# Altium PCB PCB1.PcbDoc (part 3 of 5) (continued)
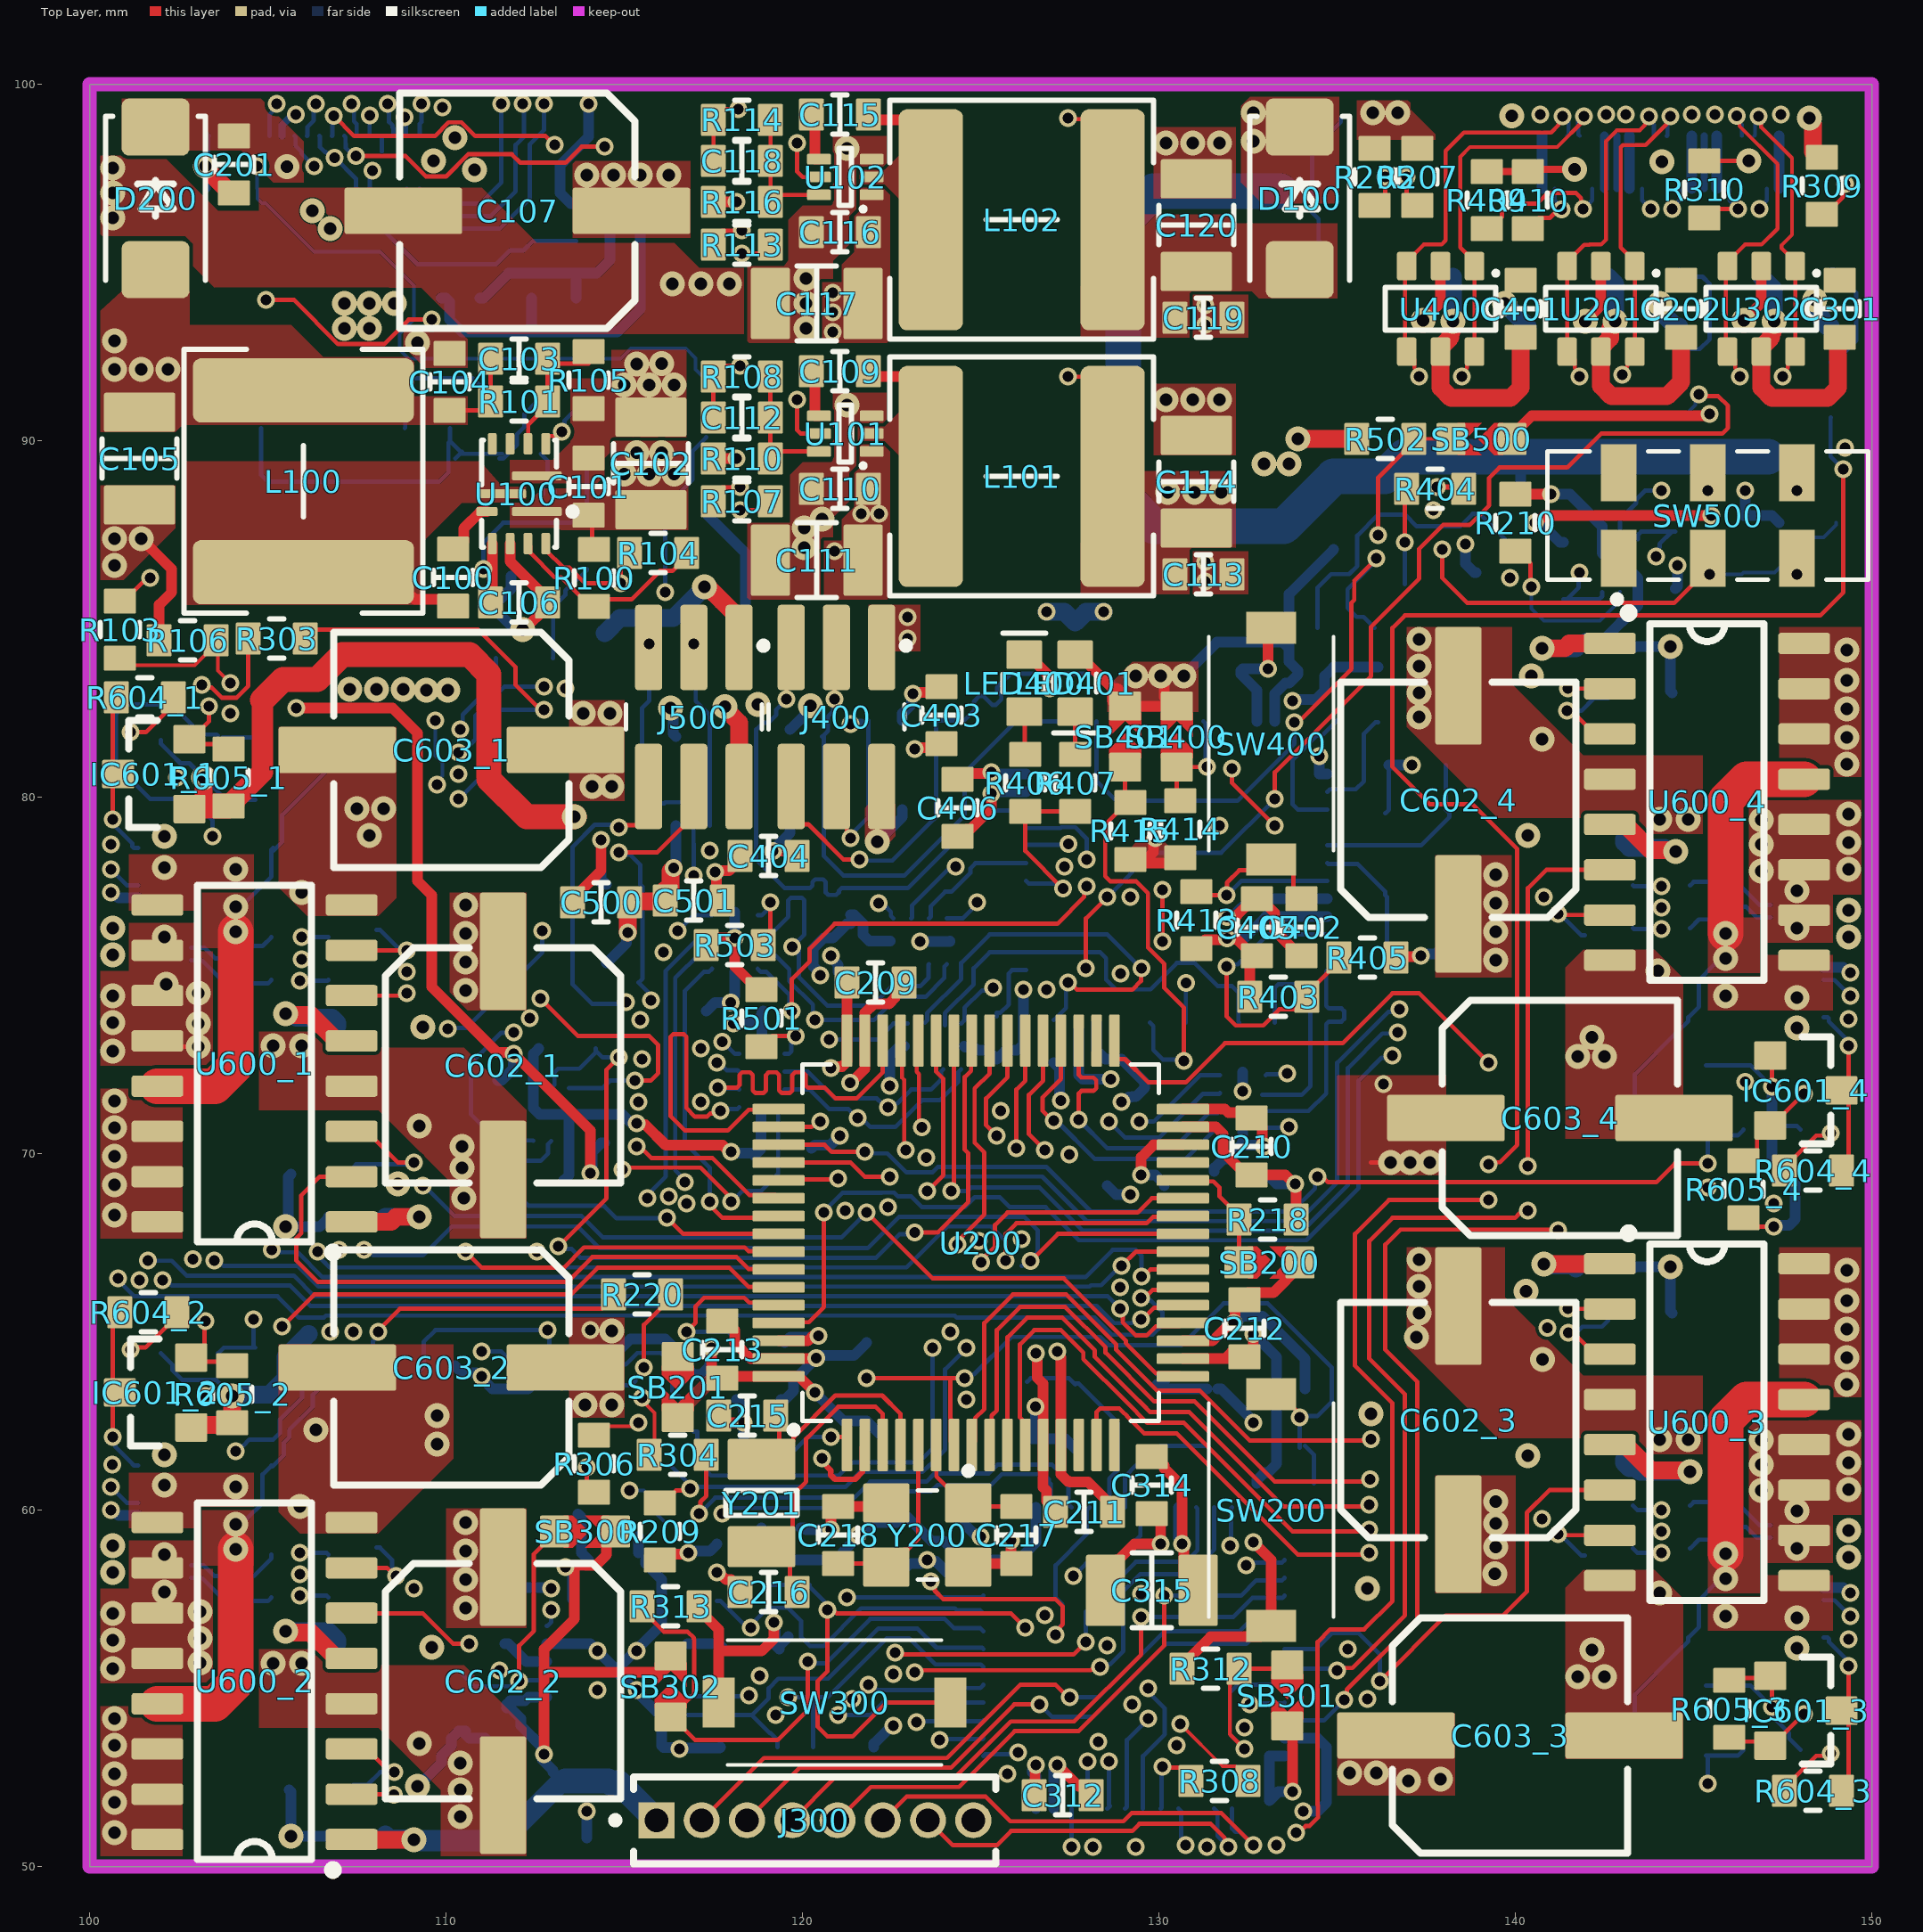
[diagram p0: Top Layer view]
## Nets (pads, with @x,y where several pads share a name; then routed paths per layer and width w, separated by ;. In a path a pad name is that pad's centre, name@x,y a point inside that pad or via, vN(x,y) a via of type N, cw(c..) or ccw(c..) an arc to the next point about the centre after c; other vN are vias at no path point) (continued)
IMU2_SS: J300.5 U300.14 | length 16.2
  Top Layer w0.12: J300.5@120.98,51.3 121.915,52.235 124.385,52.235 125.95,53.8 127.746,53.8 130.15,56.204 v1(130.15,57.6)
  Bottom Layer w0.12: v1(130.15,57.6) 132.3,57.6 132.73,58.03 133.455,58.03 U300.14@133.525,58.1
Ind_LED_Blue: R306.2 U300.4 | length 23.2
  Top Layer w0.12: v1(113.95,61.2) 113.95,60.65 R306.2@114.15,60.45 ; v1(123.6,58) 123.6,57.897 123.709,57.788 123.709,57.741 123.95,57.5 127.1,57.5 127.3,57.3 127.3,56.803 127.1,56.603 v1(127.1,56.5)
  Int2 (Sign) w0.1: v1(113.95,61.2) 115.419,61.2 115.95,60.669 115.95,58.596 116.996,57.55 119.5,57.55 120.35,56.7 122.3,56.7 v1(123.6,58)
  Bottom Layer w0.12: v1(127.1,56.5) 127.1,56.603 127.29,56.793 127.29,57.36 127.1,57.55 127.1,58.45 127.98,59.33 127.98,60.005 U300.4@128.05,60.075
Ind_LED_Green: R304.2 U300.3 | length 13.6
  Top Layer w0.12: v1(117.1,59.9) 117.134,59.934 117.134,60.234 117.3,60.4 R304.2@117.3,61.55
  Bottom Layer w0.12: v1(117.1,59.9) 117.55,60.35 121.45,60.35 121.9,60.8 123.478,60.8 123.708,61.03 125.225,61.03 125.475,61.28 126.995,61.28 127.46,60.815 127.46,60.165 U300.3@127.55,60.075
Ind_LED_Red: R303.2 U300.2 | length 47.9
  Top Layer w0.12: R303.2@106.05,84.45 106.3,84.7 110.9,84.7 111.95,83.65 111.95,83.15 112.65,82.45 v1(112.75,82.45)
  Int2 (Sign) w0.1: v1(110.35,79.95) 110.427,79.873 110.427,79.715 110.45,79.691 110.45,78.03 111.225,77.255 111.225,74.295 110.95,74.02 110.95,73.1 110.9,73.05 110.9,72.377 112.15,71.127 112.15,67.084 112.45,66.784 112.45,63.1 113.6,61.95 114.119,61.95 114.369,61.7 115.626,61.7 116.126,61.2 117.05,61.2 117.8,60.45 117.8,59.95 v1(117.75,59.9)
  Bottom Layer w0.12: v1(110.35,79.95) 111.1,80.7 111.1,82.15 111.4,82.45 v1(112.75,82.45) ; v1(117.75,59.9) 117.85,59.9 118.01,60.06 121.71,60.06 122.18,60.53 123.606,60.53 123.786,60.71 124.714,60.71 124.724,60.7 125.276,60.7 125.586,61.01 126.765,61.01 126.91,60.865 126.91,60.81 126.91,60.79 126.96,60.74 126.96,60.165 U300.2@127.05,60.075
Lidar1_RX: J600_1.7 U200.17 | length 48.7
  Top Layer w0.12: v1(121.8,68.35) 122.4,67.75 123.65,66.5 127.332,66.5 129.07,64.762 129.07,64.69 129.92,63.84 130.58,63.84 U200.17@130.67,63.75
  Int2 (Sign) w0.1: v1(100.6,77.975) 100.6,78.05 101.4,78.85 101.4,81.1 101.65,81.35 107.3,81.35 108.75,79.9 108.75,78.5 108,77.75 108,71.2 108.9,70.3 109.35,70.3 109.525,70.125 109.525,69.609 109.416,69.5 109.416,69.166 v1(109.35,69.1)
  Bottom Layer w0.12: v1(100.6,77.975) 101.048,77.527 101.358,77.527 J600_1.7@101.36,77.525 ; v1@109.35,69.135 110.235,68.25 113.8,68.25 114.4,67.65 121.091,67.65 121.791,68.35 v1(121.8,68.35)
Lidar1_speed: U200.58 U600_1.2 | length 17.7
  Top Layer w0.12: U600_1.2@107.35,69.355 106.455,69.355 105.935,68.835 105.935,67.77 105.8,67.635 105.8,67 106.4,66.4 113.4,66.4 114.1,67.1 118.15,67.1 118.485,66.765 119.315,66.765 U200.58@119.33,66.75
Lidar2_RX: J600_2.7 U200.24 | length 36.4
  Top Layer w0.12: v1(128.95,66.854) 129.346,67.25 U200.24@130.67,67.25
  Int2 (Sign) w0.1: v1(100.6,60.65) 101.65,61.7 101.65,65.15 v1(103.5,67)
  Bottom Layer w0.12: v1(100.6,60.65) 101.048,60.202 101.358,60.202 J600_2.7@101.36,60.2 ; v1(103.5,67) 103.603,67 103.753,66.85 105.838,66.85 106.418,66.27 128.052,66.27 128.092,66.31 128.378,66.31 128.922,66.854 v1(128.95,66.854)
Lidar2_speed: U200.59 U600_2.2 | length 30.4
  Top Layer w0.12: v1(105.4,65.15) 106.3,66.05 113.5,66.05 114.25,66.8 117.95,66.8 118.485,66.265 119.315,66.265 U200.59@119.33,66.25 ; U600_2.2@107.35,52.03 107.355,52.025 108.525,52.025 v1(108.529,52.021)
  Int2 (Sign) w0.1: v1(105.4,65.15) 107.9,62.65 107.9,52.65 v1(108.529,52.021)
Lidar3_RX: J600_3.7 U200.15 | length 27.3
  Top Layer w0.12: U200.15@128.25,61.83 128.25,62.756 128.344,62.85 128.886,62.85 128.961,62.775 128.965,62.775 129.11,62.63 129.11,62.626 129.586,62.15 130.5,62.15 133.9,58.75 135.85,58.75 v1(135.9,58.8)
  Int2 (Sign) w0.1: v1(135.9,58.8) 137.6,57.1 143.1,57.1 144.7,55.5 148.3,55.5 148.65,55.85 148.65,56.75 148.925,57.025 v1(149.4,57.025)
  Bottom Layer w0.12: J600_3.7@148.64,57.475 148.642,57.473 148.952,57.473 v1(149.4,57.025)
Lidar3_speed: U200.10 U600_3.2 | length 26.9
  Top Layer w0.12: U200.10@125.75,61.83 125.75,64.85 126.3,65.4 127.286,65.4 128.2,64.486 128.2,64.3 129.185,63.315 129.189,63.315 129.65,62.854 129.65,62.85 129.75,62.75 130.85,62.75 133.5,60.1 135.85,60.1 v1(135.9,60.15) ; v1(141.471,65.654) 141.475,65.65 142.645,65.65 U600_3.2@142.65,65.645
  Int2 (Sign) w0.1: v1(135.9,60.15) 135.317,60.15 135.1,60.367 135.1,61.233 135.317,61.45 136.477,61.45 140.681,65.654 v1(141.471,65.654)
Lidar4_RX: J600_4.7 U200.33 | length 25.4
  Top Layer w0.12: U200.33@128.75,73.17 128.75,72.724 128.82,72.654 129.046,72.654 129.7,72 130.75,72 131.85,73.1 135.15,73.1 136.55,74.5 137.3,74.5 v1(139.25,72.55)
  Int2 (Sign) w0.1: v1(139.25,72.55) 139.75,72.05 145.1,72.05 146,72.95 147.925,72.95 148.075,73.1 ; 148.076,73.1 148.325,73.349 ; 148.325,73.35 v1(149.4,74.425)
  Bottom Layer w0.12: J600_4.7@148.64,74.875 J600_4.7@148.64,74.875 148.952,74.873 v1(149.4,74.425)
Lidar4_speed: U200.61 U600_4.2 | length 39.8
  Top Layer w0.12: U200.61@119.33,65.25 119.355,65.275 120.175,65.275 120.6,65.7 v1(120.6,68.35) ; v1(141.471,83.054) 141.475,83.05 142.645,83.05 U600_4.2@142.65,83.045
  Int2 (Sign) w0.1: v1(136.55,72.75) 136.55,72.816 136.3,73.066 136.3,74.166 136.51,74.376 136.51,75.817 136.85,76.157 136.85,79.05 137.15,79.35 138.8,79.35 139.85,80.4 139.85,81.582 141.298,83.029 141.446,83.029 v1(141.471,83.054)
  Bottom Layer w0.12: v1(120.6,68.35) 120.6,68.38 121.12,68.9 122.22,68.9 122.23,68.91 122.57,68.91 122.68,68.8 123.05,68.8 123.35,68.5 124.554,68.5 124.834,68.78 125.532,68.78 125.812,68.5 126.818,68.5 127.748,67.57 134.134,67.57 135.6,69.036 135.6,72.05 136.241,72.691 136.491,72.691 v1(136.55,72.75)
Magnet+_1: IC600_1.3 J600_1.16 J600_1.17 R601_1.1 U600_1.13 | length 11.2
  Top Layer w1: U600_1.13@101.9,71.895 103.514,71.895 104.1,72.481 v2(104.1,76.225)
  Bottom Layer w0.12: v2(104.1,76.925) 104.246,76.925 104.428,77.107 104.432,77.107 105.1,77.775 105.1,78.525 R601_1.1@105.15,78.575 ; R601_1.1@105.15,78.5 105.4,78.75 105.4,79.5 IC600_1.3@106.65,80.75
Magnet+_2: IC600_2.3 J600_2.16 J600_2.17 R601_2.1 U600_2.13 | length 11.4
  Top Layer w1: U600_2.13@101.9,54.57 103.514,54.57 104.1,55.156 v2(104.1,58.9)
  Bottom Layer w0.12: v2(104.1,59.6) 104.246,59.6 104.428,59.782 104.432,59.782 104.85,60.2 104.85,61 R601_2.1@105.1,61.25 ; R601_2.1@105.125,61.225 105.45,61.55 105.45,61.895 105.604,62.049 105.604,62.254 106.26,62.91 106.26,63.24 106.6,63.58 IC600_2.3@106.65,63.58
Magnet+_3: IC600_3.3 J600_3.16 J600_3.17 R601_3.1 U600_3.13 | length 11.3
  Top Layer w1: v2(145.9,58.775) 145.9,62.519 146.486,63.105 U600_3.13@148.1,63.105
  Bottom Layer w0.12: IC600_3.3@143.35,54.095 143.35,54.825 144.53,56.005 144.85,56.325 R601_3.1@144.85,56.425 145.15,56.725 145.15,57.475 145.568,57.893 145.572,57.893 145.754,58.075 v2(145.9,58.075)
Magnet+_4: IC600_4.3 J600_4.16 J600_4.17 R601_4.1 U600_4.13 | length 11.3
  Top Layer w1: v2(145.9,76.175) 145.9,79.919 146.486,80.505 U600_4.13@148.1,80.505
  Bottom Layer w0.12: IC600_4.3@143.35,71.495 143.35,72.225 144.53,73.405 144.85,73.725 R601_4.1@144.85,73.825 145.15,74.125 145.15,74.875 145.568,75.293 145.572,75.293 145.754,75.475 v2(145.9,75.475)
Main_debug_RX: U401.13 U506.7 | length 6.3
  Bottom Layer w0.12: U506.7@132.9,71.65 134,71.65 134.25,71.9 134.25,74.68 134.18,74.75 133.344,74.75 133.25,74.656 U401.13@133.25,73.675
Main_debug_TX: U401.12 U506.8 | length 6.3
  Bottom Layer w0.12: U506.8@132.945,71.195 134.195,71.195 134.69,71.69 134.69,73.202 134.69,73.632 134.764,73.706 135.119,73.706 135.193,73.78 135.193,74.002 135.119,74.076 134.764,74.076 134.69,74.15 134.69,74.45 134.69,75.115 U401.12@134.725,75.15
Main_MCU_BOOT0: R219.2 SB201.1 U200.60 | length 5.7
  Top Layer w0.12: SB201.1@116.6,64.457 116.704,64.457 116.75,64.504 v1@116.75,65.009 ; v1(116.75,65) v1@116.75,65.009 ; U200.60@119.33,65.75 119.26,65.82 118.504,65.82 118.364,65.96 117.236,65.96 117,65.724 117,65.259 v1@116.75,65.009
  Bottom Layer w0.12: v1(116.75,65) 117.91,65 118.2,64.71 118.2,64.7 R219.2@118.3,64.7
Main_MCU_BOOT1: R218.2 SB200.1 U200.28 | length 3.4
  Top Layer w0.12: U200.28@130.67,69.25 130.696,69.224 131.526,69.224 131.7,69.05 131.7,68.8 132.25,68.25 132.25,66.957 SB200.1@132.243,66.95
Main_MCU_CLK1_IN: C218.2 U200.5 Y200.3 | length 5.3
  Top Layer w0.12: C218.2@121,58.5 122.25,58.5 Y200.3@122.35,58.4 122.84,58.89 122.94,58.89 123.25,59.2 U200.5@123.25,61.83
Main_MCU_CLK1_OUT: C217.2 U200.6 Y200.1 | length 3.5
  Top Layer w0.12: U200.6@123.75,61.83 123.751,61.829 123.751,60.949 124.03,60.67 124.18,60.67 Y200.1@124.65,60.2 124.75,60.1 C217.2@126,60.1
Main_MCU_debug_RX: U200.36 U506.1 | length 8.1
  Top Layer w0.12: v1(127.042,70.929) 127.001,70.929 126.735,71.195 126.735,71.585 127.25,72.1 U200.36@127.25,73.17
  Bottom Layer w0.12: v1(127.042,70.929) 127.121,70.929 128.2,69.85 130.745,69.85 131.595,70.7 U506.1@131.71,70.7
Main_MCU_debug_TX: U200.35 U506.2 | length 7.8
  Top Layer w0.12: v1(127.747,70.953) 127.748,70.955 127.748,71.261 127.748,71.691 127.822,71.765 128.166,71.765 128.24,71.839 128.24,72.061 128.166,72.135 127.822,72.135 127.748,72.209 127.748,72.495 U200.35@127.748,73.168
  Bottom Layer w0.12: v1(127.747,70.953) 128.55,70.15 130.4,70.15 131.385,71.135 131.645,71.135 U506.2@131.71,71.2
Main_MCU_reset: C205.1 R213.1 SW200.1 U200.7 U505.2 | length 37.5
  Top Layer w0.12: v1(121.8,63.7) 124.15,63.7 ; U200.7@124.25,61.83 124.16,61.92 124.16,62.565 124.15,62.575 124.15,63.7 ; v1@124.61,63.7 v1(124.55,63.7) 124.15,63.7 ; SW200.1@133.15,63.25 133.4,63.25 133.885,62.765 133.885,62.665 v1(133.95,62.6)
  Int2 (Sign) w0.1: v1(116.7,69.2) 118.016,69.2 121.8,65.416 v1(121.8,63.7)
  Bottom Layer w0.12: v1(116.7,69.2) 116.7,69.268 116.43,69.538 116.43,74.93 117.126,75.626 117.396,75.626 U505.2@117.46,75.69 ; v1@124.639,63.686 124.762,63.809 124.809,63.809 125.86,64.86 128.355,64.86 128.585,64.63 130.64,64.63 131.81,65.8 133.05,65.8 134.85,64 134.85,63.05 134.44,62.64 133.99,62.64 v1(133.95,62.6) R213.1@133.95,61.75 ; R213.1@134.1,61.8 134.35,61.55 C205.1@134.35,60.75
Main_MCU_SWO: U200.55 U505.1 | length 9.4
  Top Layer w0.12: v1(117.4,68.65) 117.4,68.55 117.75,68.2 119.28,68.2 U200.55@119.33,68.25
  Bottom Layer w0.12: v1(117.4,68.65) 117.4,69.6 116.7,70.3 116.7,74.574 117.226,75.1 117.37,75.1 U505.1@117.46,75.19
Main_MCU_TCK: U200.49 U503.1 | length 9.9
  Top Layer w0.12: v1(117.7,71.2) 117.627,71.127 117.407,71.127 117.32,71.04 116.98,71.04 116.74,71.28 116.74,73.28 116.67,73.35 116.37,73.35 116.3,73.28 116.3,71.05 116.7,70.65 117.9,70.65 118.485,71.235 119.315,71.235 U200.49@119.33,71.25
  Bottom Layer w0.12: v1(117.7,71.2) 117.75,71.25 118.17,71.25 U503.1@118.22,71.3
Main_MCU_TMS: U200.46 U503.2 | length 9.2
  Top Layer w0.12: v1(117.626,71.85) 118.098,71.85 118.158,71.85 118.232,71.924 118.232,72.211 118.306,72.285 118.528,72.285 118.602,72.211 118.602,71.778 118.676,71.704 118.898,71.704 118.972,71.778 118.972,72.211 119.046,72.285 119.268,72.285 119.342,72.211 119.342,71.778 119.416,71.704 119.638,71.704 119.712,71.778 119.712,72.211 119.786,72.285 120.008,72.285 120.082,72.211 120.082,71.924 120.156,71.85 120.24,71.85 120.625,71.85 120.925,71.55 121.52,71.55 122.25,72.28 U200.46@122.25,73.17
  Bottom Layer w0.12: v1(117.626,71.85) 117.651,71.825 118.195,71.825 U503.2@118.22,71.8
Main_MCU_to_Display_RX: Q200.2 R202.1 U200.41 | length 25.6
  Top Layer w0.12: v1(113.15,67.4) 114.5,68.75 114.5,72.357 114.843,72.7 v1(114.85,72.7) ; v1(123.15,67.79) 123.79,67.79 124.65,68.65 124.65,70.013 124.55,70.113 124.55,72.15 124.725,72.325 124.725,73.145 U200.41@124.75,73.17
  Bottom Layer w0.12: Q200.2@112.95,71.84 113.04,71.93 113.04,72.29 113.135,72.385 113.735,72.385 113.91,72.56 114.2,72.85 R202.1@114.2,72.95 ; v1(113.15,67.4) 113.223,67.327 113.523,67.327 113.77,67.08 122.062,67.08 122.72,67.738 123.098,67.738 v1(123.15,67.79) ; R202.1@114.2,72.89 114.39,72.7 v1(114.85,72.7)
Main_MCU_to_Display_TX: Q200.5 R204.2 U200.56 | length 10.2
  Top Layer w0.12: v1(116.2,68.2) 116.65,67.75 U200.56@119.33,67.75
  Bottom Layer w0.12: Q200.5@112.95,70.36 112.86,70.27 112.86,70.01 112.65,69.8 112.19,69.8 111.7,69.31 R204.2@111.7,69.25 111.99,68.96 111.99,68.86 112.31,68.54 114.43,68.54 114.78,68.19 116.19,68.19 v1(116.2,68.2)
Main_MCU_USB_DM: R200.2 U200.50 | length 40.7
  Top Layer w0.12: U200.50@119.33,70.75 120.247,70.75 120.397,70.9 v1(120.5,70.9) ; v1(127.95,75.2) 127.95,76.6 v1(128.55,77.2) ; v1(133.25,79.95) 133.25,80.7 135.95,83.4 135.95,84.787 137.3,86.137 137.3,86.97 137.97,87.64 138.714,87.64 139.26,88.186 139.26,88.96 139.55,89.25 141.453,89.25 142.403,90.2 145.8,90.2 145.96,90.36 145.96,90.98 145.689,91.25 145.2,91.25 v1(145.15,91.3)
  Int2 (Sign) w0.1: v1(120.5,70.9) 121.185,71.585 121.555,71.585 123.829,73.859 127.309,73.859 127.95,74.5 v1(127.95,75.2)
  Bottom Layer w0.1: R200.2@144.6,90.65 144.7,90.65 145.05,91 145.05,91.092 145.15,91.192 v1(145.15,91.3)
  Bottom Layer w0.12: v1(128.55,77.2) 129.793,78.443 131.743,78.443 v1(133.25,79.95)
Main_MCU_USB_N: J201.10 U200.44 U201.3 U201.4 | length 52.3
  Top Layer w0.11: U200.44@123.25,73.17 123.205,73.125 123.205,72.298 123.265,72.238 123.265,70.994 123.267,70.992 123.267,70.81 v1(123.341,70.735) ; v1(141.8,91.8) 141.8,91.906 141.662,92.044 141.662,92.288 U201.4@141.45,92.5 U201.3@141.45,94.9 141.45,95.025 141.925,95.5 142.075,95.5 142.08,95.505 142.405,95.505 142.54,95.64 142.54,98.405 142.845,98.71 143.486,98.71 143.629,98.854 143.629,98.875 143.749,98.995 v1(143.749,99.101)
  Int2 (Sign) w0.1: v1(123.341,70.735) 123.391,70.685 123.891,70.685 123.95,70.743 123.95,71.8 125.535,73.385 129.188,73.385 132.773,69.8 133.266,69.8 134.298,70.832 134.298,80.216 135,80.918 135,84.918 135.317,85.236 136.532,86.45 138.516,86.45 139.4,87.334 139.4,88.55 142.2,91.35 142.2,91.766 142.141,91.825 141.825,91.825 v1(141.8,91.8)
  Bottom Layer w0.12: 143.885,98.87 143.885,98.568 J201.10@143.9,98.553
Main_MCU_USB_P: J201.11 U200.45 U201.1 U201.6 | length 53.6
  Top Layer w0.11: U200.45@122.75,73.17 122.84,73.08 122.795,73.035 122.795,72.128 122.855,72.068 122.855,70.15 v1(122.897,70.108) ; v1(143,91.85) 143,91.956 143.138,92.094 143.138,92.288 U201.6@143.35,92.5 143.35,95.025 142.95,95.425 142.95,95.77 142.95,98.236 143.014,98.3 143.656,98.3 144.35,98.994 v1(144.35,99.1)
  Int2 (Sign) w0.1: v1(122.897,70.108) 122.979,70.108 123.156,70.285 124.057,70.285 124.35,70.578 124.35,71.634 125.701,72.985 128.857,72.985 129.023,72.985 132.608,69.4 133.431,69.4 134.698,70.667 134.698,80.05 135.4,80.752 135.4,84.752 135.717,85.07 136.698,86.05 138.681,86.05 139.8,87.169 139.8,88.384 142.6,91.184 142.6,91.766 142.659,91.825 142.975,91.825 v1(143,91.85)
  Bottom Layer w0.12: J201.11@144.25,98.553 144.265,98.568 v1@144.265,98.92
Main_RES: U401.18 U504.7 | length 12.3
  Int2 (Sign) w0.1: v1(124.3,78.05) 124.95,78.05 125.75,77.25 125.75,76.721 126.551,75.92 128.111,75.92 128.541,76.35 130.272,76.35 130.754,75.868 v1(130.754,74.796)
  Bottom Layer w0.12: U504.7@123.05,76.6 123.074,76.624 123.074,76.974 124.077,77.977 124.227,77.977 v1(124.3,78.05) ; U401.18@130.75,73.675 130.752,73.677 130.752,74.794 v1(130.754,74.796)
Main_SWO: U401.31 U504.8 | length 3.6
  Bottom Layer w0.12: U504.8@123.55,76.6 123.599,76.649 123.599,76.949 124,77.35 124.18,77.35 124.71,77.88 124.71,78.01 124.85,78.15 125,78.15 125.4,78.15 U401.31@126.275,78.15
Main_TCK: U401.15 U401.26 U502.8 | length 11.8
  Bottom Layer w0.12: U502.8@123.995,73.595 123.995,73.945 124.8,74.75 124.8,75.2 125.25,75.65 U401.26@126.275,75.65 128.35,75.65 128.515,75.485 128.515,74.88 128.785,74.61 129.76,74.61 130.5,75.35 131,75.35 131.65,74.7 132.05,74.7 132.226,74.524 132.226,73.699 U401.15@132.25,73.675
Main_TMS: R408.2 U401.27 U502.7 | length 11.7
  Top Layer w0.12: v1(127.45,74.8) 127.5,74.8 127.7,74.6 129.25,74.6 129.494,74.844 129.494,75.19 v1(129.505,75.201)
  Bottom Layer w0.12: U502.7@123.432,73.672 123.495,73.735 123.495,73.945 124.45,74.9 124.45,75.35 125.25,76.15 128.55,76.15 129.499,75.201 v1(129.505,75.201) ; R408.2@127.05,73.75 127.39,74.09 127.39,74.74 v1(127.45,74.8)
Motor+_1: J600_1.12 J600_1.13 U600_1.9
  other v2: 104.1,77.975 102.1,78.025
Motor+_2: J600_2.12 J600_2.13 U600_2.9
  other v2: 104.1,60.65 102.1,60.7
Motor+_3: J600_3.12 J600_3.13 U600_3.9
  other v2: 147.9,56.975 145.9,57.025
Motor+_4: J600_4.12 J600_4.13 U600_4.9
  other v2: 147.9,74.375 145.9,74.425
NetC100_1: C100.1 L100.1 U100.7 | length 4.6
  Top Layer w0.3: L100.1@105.996,86.314 106.699,85.61 109.061,85.61 109.121,85.55 110.009,85.55 C100.1@110.196,85.364
NetC100_2: C100.2 U100.8 | length 1.6
  Top Layer w0.3: C100.2@110.196,86.964 110.296,86.964 110.496,87.164 110.496,87.546 110.964,88.014 U100.8@111.146,88.014
NetC103_1: C103.1 R101.1 R105.2 U100.4 | length 3.6
  Top Layer w0.12: U100.4@112.296,89.914 112.304,89.922 112.304,90.454 112.764,90.914 112.846,90.914 112.846,92.064 112.946,92.164 R105.2@113.996,92.164
NetC106_2: C106.2 R102.1 U100.9 | length 7.3
  Top Layer w0.3: v1(111.05,86.4) v1@111.25,86.4 ; C106.2@111.246,85.464 111.296,85.514 U100.9@111.296,87.114
  Bottom Layer w0.12: v1(111.05,86.4) 111.05,87.15 111.6,87.7 113.5,87.7 113.95,88.15 R102.1@113.95,89.55
NetC109_1: C109.1 L101.1 U101.2 | length 4.1
  Top Layer w0.3: C109.1@121.85,91.8 122.856,91.8 123.6,91.056 L101.1@123.6,89
NetC109_2: C109.2 U101.4 | length 1.3
  Top Layer w0.3: C109.2@120.25,91.8 120.35,91.7 120.35,90.7 U101.4@120.46,90.7
NetC112_1: C112.1 R108.1 R110.2 U101.6 | length 3.6
  Top Layer w0.12: R108.1@119.1,91.8 C112.1@119.1,90.65 R110.2@119.1,89.5 R110.2@119.3,89.7 ; R110.2@119.45,89.7 U101.6@120.46,89.7
NetC115_1: C115.1 L102.1 U102.2 | length 4.1
  Top Layer w0.3: C115.1@121.85,98.999 122.856,98.999 123.6,98.255 L102.1@123.6,96.199
NetC115_2: C115.2 U102.4 | length 1.3
  Top Layer w0.3: C115.2@120.25,98.999 120.35,98.9 120.35,97.899 U102.4@120.46,97.899
NetC118_1: C118.1 R114.1 R116.2 U102.6 | length 3.6
  Top Layer w0.12: R114.1@119.1,98.999 C118.1@119.1,97.849 R116.2@119.1,96.699 R116.2@119.3,96.899 ; R116.2@119.45,96.899 U102.6@120.46,96.899
NetC200_1: C200.1 C202.2 D201.1 J201.8 J201.13 J201.28 J201.33 R200.1 U201.5 | length 13.7
  Top Layer w0.5: v2(142.802,93.352) 142.802,93.298 142.655,93.151 142.655,92.88 142.4,92.625 142.4,91.543 142.693,91.25 144.25,91.25 144.65,91.65 C202.2@144.65,92.9
  Bottom Layer w0.12: R200.1@144.6,92.3 144.871,92.571 145.171,92.571 145.45,92.85 145.45,94.4 145.246,94.604 144.796,94.604 C200.1@144.6,94.8
  Bottom Layer w0.3: J201.33@143.2,97.073 J201.8@143.2,98.553 ; J201.28@144.95,97.073 J201.13@144.95,98.553
  Bottom Layer w0.5: D201.1@142.6,94.6 142.802,94.398 v2(142.802,93.352)
NetC201_2: C201.2 D200.2 J200.31 J200.32
  other v2: 105.536,97.688
NetC206_2: C206.2 D202.2 D203.2 U200.1 | length 37.2
  Top Layer w0.12: v1(120.8,62.05) 121.16,62.05 121.25,61.96 U200.1@121.25,61.83
  Int2 (Sign) w0.1: v1(116.15,85.75) 114.75,84.35 114.75,82.876 115.075,82.551 115.075,82.199 114.576,81.7 113.492,81.7 112.75,80.958 112.75,78.95 113.475,78.225 113.475,77.325 113.95,76.85 113.95,75.724 114.05,75.624 114.05,70 114.2,69.85 114.216,69.85 114.55,69.516 114.55,68.75 115,68.3 115,66.6 115.95,65.65 117.2,65.65 v1(120.8,62.05)
  Bottom Layer w0.12: D203.2@115.7,87.95 D203.2@115.71,87.95 ; v1(116.15,85.75) 116.15,87.51 D203.2@115.71,87.95 ; D202.2@117.3,90.1 116.91,89.71 116.91,88.91 115.95,87.95 D203.2@115.71,87.95 ; C206.2@119.8,61.7 119.8,61.71 120.14,62.05 v1(120.8,62.05)
NetC207_1: C207.1 U200.30 | length 2.6
  Top Layer w0.3: v1(129.5,69.4) 129.5,69.9 129.85,70.25 U200.30@130.67,70.25
  Bottom Layer w0.3: v1(129.5,69.4) 129.9,69.4 130.15,69.15 C207.1@130.15,69.1
NetC208_1: C208.1 U200.62 | length 2.1
  Top Layer w0.3: U200.62@119.33,64.75 120.152,64.75 120.292,64.89 v1@120.346,64.89
  Bottom Layer w0.3: C208.1@119.5,64.7 119.656,64.856 119.66,64.852 120.408,64.852 v1(120.446,64.89)
NetC215_2: C215.2 U200.4 Y201.1 | length 7.3
  Top Layer w0.12: Y201.1@118.85,61.425 Y201.1@118.855,61.425 ; C215.2@119.35,62.7 119.35,61.92 Y201.1@118.855,61.425 ; U200.4@122.75,61.83 122.744,61.836 122.744,62.706 122.234,63.216 120.916,63.216 119.74,62.04 119.74,61.94 119.225,61.425 Y201.1@118.855,61.425
NetC216_2: C216.2 U200.3 Y201.2 | length 8.8
  Top Layer w0.12: Y201.2@118.85,58.975 118.855,58.975 Y201.2@119.081,58.975 ; C216.2@119.75,57.714 119.65,57.814 119.65,58.48 119.155,58.975 Y201.2@119.081,58.975 ; U200.3@122.25,61.83 122.244,61.836 122.244,62.706 122.05,62.9 121,62.9 120.1,62 120.1,60.8 119.72,60.42 119.72,59.47 119.225,58.975 Y201.2@119.081,58.975
NetC300_1: C300.1 C301.2 D300.1 J201.15 J201.20 J201.21 J201.26 R301.1 U302.5 | length 13.5
  Top Layer w0.5: v2(147.255,93.35) 147.217,93.312 147.217,93.067 147.175,93.025 147.175,92.9 146.9,92.625 146.9,91.493 147.193,91.2 148.757,91.2 149.05,91.493 149.05,92.85 C301.2@149.1,92.9
  Bottom Layer w0.12: R301.1@148.85,92.2 149.14,92.49 149.24,92.49 149.56,92.81 149.56,94.15 149.24,94.47 149.24,94.51 148.95,94.8 C300.1@148.85,94.8
  Bottom Layer w0.3: J201.26@145.65,97.073 J201.15@145.65,98.553 ; J201.21@147.4,97.073 J201.20@147.4,98.553
  Bottom Layer w0.5: D300.1@146.9,94.6 147.252,94.248 147.252,93.353 v2(147.255,93.35)
NetC302_1: C302.1 U301.20 | length 1
  Bottom Layer w0.3: U301.20@116.775,56.25 117.65,56.25 C302.1@117.75,56.15
NetC303_1: C303.1 U301.10 | length 1.4
  Bottom Layer w0.3: C303.1@111.65,56.25 111.75,56.25 112.25,55.75 U301.10@112.825,55.75
NetC400_2: C400.2 C401.2 D400.1 J201.1 J201.6 J201.35 J201.40 U400.5 | length 10.1
  Top Layer w0.5: v2(138.25,93.35) 138.212,93.312 138.212,93.062 138.175,93.025 138.175,92.9 137.9,92.625 137.9,91.493 138.193,91.2 139.857,91.2 140.15,91.493 C401.2@140.15,92.9
  Bottom Layer w0.25: J201.35@142.5,97.073 J201.6@142.5,98.553
  Bottom Layer w0.3: J201.40@140.75,97.073 J201.1@140.75,98.553
  Bottom Layer w0.5: v2(138.25,93.35) D400.1@138.25,94.6
NetC410_2: C410.2 U401.5 Y400.1 | length 5.2
  Bottom Layer w0.12: U401.5@134.725,78.65 137.35,78.65 138.15,79.45 Y400.1@138.15,79.55 138.05,79.65 C410.2@138.05,80.9
NetC411_2: C411.2 U401.6 Y400.3 | length 3.4
  Bottom Layer w0.12: U401.6@134.725,78.15 134.749,78.126 135.574,78.126 136.35,77.35 Y400.3@136.35,77.25 136.4,77.2 C411.2@136.4,75.9
NetD401_1: D401.1 J400.1
  other v1: 122.95,84.45 122.95,85.05
NetD600_1_1: D600_1.1 R608_1.2
NetD600_2_1: D600_2.1 R608_2.2
NetD600_3_1: D600_3.1 R608_3.2
NetD600_4_1: D600_4.1 R608_4.2
NetD601_1_1: D601_1.1 R609_1.2
NetD601_2_1: D601_2.1 R609_2.2
NetD601_3_1: D601_3.1 R609_3.2
NetD601_4_1: D601_4.1 R609_4.2
NetIC601_1_2: IC601_1.2 R605_1.2 U300.10 | length 56.4
  Top Layer w0.12: v1(103.35,82.55) 103.35,82.13 102.85,81.63 102.85,81.605 102.965,81.49 103.885,81.49 R605_1.2@104,81.375 ; v1(122.6,56) 122.65,55.95 127.6,55.95 v1(127.95,56.3)
  Int2 (Sign) w0.1: v1(103.35,82.55) 103.35,82.2 103.8,81.75 107.6,81.75 109.05,80.3 109.05,76.116 109.3,75.866 109.3,74.101 108.925,73.726 108.925,72.408 111.15,70.183 111.15,66.67 111.4,66.42 111.4,57.85 112.8,56.45 115.65,56.45 115.95,56.15 121.6,56.15 121.75,56 v1(122.6,56)
  Bottom Layer w0.12: v1(127.95,56.3) 127.95,57.15 129.35,58.55 130.758,58.55 131.08,58.872 131.08,60.045 U300.10@131.05,60.075
NetIC601_2_2: IC601_2.2 R605_2.2 U300.11 | length 47.9
  Top Layer w0.12: v1(103.25,65.3) 103.225,65.275 103.225,64.62 102.885,64.28 IC601_2.2@102.85,64.28 102.965,64.165 103.885,64.165 R605_2.2@104,64.05 ; v1(123.15,55.45) 123.21,55.51 128.09,55.51 128.107,55.527 128.277,55.527 v1(128.35,55.6)
  Int2 (Sign) w0.1: v1(103.25,65.3) 103.85,65.3 106.475,62.675 106.526,62.675 106.775,62.426 106.775,62.375 107.55,61.6 107.55,52.434 108.363,51.621 109.172,51.621 109.885,52.334 109.885,52.987 110.599,53.7 117,53.7 117.6,53.1 120.5,53.1 122.3,54.9 122.616,54.9 123.15,55.434 v1(123.15,55.45)
  Bottom Layer w0.12: v1(128.35,55.6) 128.423,55.673 128.623,55.673 129,56.05 129,57.73 129.47,58.2 130.85,58.2 131.55,58.9 U300.11@131.55,60.075
NetIC601_3_2: IC601_3.2 R605_3.2 U300.21 | length 21.9
  Top Layer w0.12: R605_3.2@146,53.625 146.115,53.51 147.035,53.51 IC601_3.2@147.15,53.395 147.2,53.395 148.08,54.275 v1(148.1,54.275)
  Int2 (Sign) w0.1: v1(132.55,54.55) 134.1,54.55 134.8,53.85 137.75,53.85 140.1,51.5 145.95,51.5 148.1,53.65 v1(148.1,54.275)
  Bottom Layer w0.12: v1(132.55,54.55) 132.575,54.575 133.5,54.575 U300.21@133.525,54.6
NetIC601_4_2: IC601_4.2 R605_4.2 U300.22 | length 32.9
  Top Layer w0.12: v1(135.2,54.675) 135.272,54.747 135.272,54.972 137.25,56.95 137.25,63.6 136.35,64.5 136.35,67.45 136.774,67.874 141.176,67.874 v1(141.2,67.85) ; R605_4.2@146.4,69.85 146.414,69.836 R605_4.2@146.405,69.853 ; R605_4.2@146.551,69.85 146.777,70.076 146.777,70.455 147.117,70.795 147.2,70.795 148.08,71.675 v1(148.1,71.675)
  Int2 (Sign) w0.1: v1(141.2,67.85) 145.75,67.85 148.1,70.2 v1(148.1,71.675)
  Bottom Layer w0.12: U300.22@133.525,54.1 134.625,54.1 v1(135.2,54.675)
NetJ200_8: J200.8 R103.1 | length 16.9
  Top Layer w0.12: R103.1@100.85,85.5 100.95,85.5 101.6,86.15 v1(101.7,86.15)
  Int2 (Sign) w0.1: v1(101.7,86.15) 104,88.45 104,98.2 v1(105.25,99.45)
  Bottom Layer w0.12: J200.8@105.05,98.553 105.05,99.158 105.25,99.358 v1(105.25,99.45)
NetJ200_18: J200.18 R303.1 | length 27.4
  Top Layer w0.12: v1(103.15,83.15) 103.223,83.077 103.423,83.077 103.71,82.79 104.12,82.79 104.29,82.96 104.29,82.962 104.45,83.122 R303.1@104.45,84.45 ; v1(104.95,93.95) 105.735,93.95 106.97,92.715 108.265,92.715 108.95,93.4 v1(109.6,93.4)
  Int2 (Sign) w0.1: v1(108.365,99.45) 108.365,98.393 108.75,98.007 108.75,94.95 109.6,94.1 v1(109.6,93.4)
  Int2 (Sign) w0.12: v1(103.15,83.15) 103.15,86.7 104.95,88.5 v1(104.95,93.95)
  Bottom Layer w0.12: v1(108.365,99.45) 108.4,99.415 108.4,98.945 108.5,98.845 108.5,98.792 108.52,98.772 108.52,98.583 J200.18@108.55,98.553
NetJ200_19: J200.19 R304.1 | length 42.3
  Top Layer w0.1: v1(115.5,63.15) 115.5,63.084 115.85,62.734 115.85,61.7 R304.1@115.7,61.55
  Int2 (Sign) w0.1: v1(108.838,99.077) 108.838,98.395 109.15,98.083 109.15,95.1 110.2,94.05 110.2,85.55 112,83.75 112,78.601 112.725,77.876 112.725,77.454 112.725,77.014 113.1,76.639 113.1,75.513 113.3,75.313 113.3,73.477 113.15,73.327 113.15,69.839 113.15,68.957 114.15,67.957 114.15,66.842 113.65,66.342 113.65,63.85 114.125,63.375 115.242,63.375 115.467,63.15 v1(115.5,63.15)
  Bottom Layer w0.12: v1(108.838,99.077) 108.87,99.045 108.87,98.583 J200.19@108.9,98.553
NetJ200_20: J200.20 R306.1 | length 42.9
  Top Layer w0.1: R306.1@114.15,62.1 114.4,62.35 115.192,62.35 115.292,62.45 v1(115.4,62.45)
  Int2 (Sign) w0.1: v1(109.308,99.45) 109.308,98.841 110.075,98.074 110.075,94.625 110.55,94.15 110.55,85.7 111.725,84.525 ; 111.725,84.524 111.974,84.275 ; 111.975,84.275 112.25,84 112.25,78.704 112.975,77.979 112.975,77.35 112.975,77.118 113.35,76.743 113.35,75.617 113.55,75.417 113.55,73.374 113.4,73.224 113.4,69.943 113.4,69.061 114.4,68.061 114.4,65.876 115.075,65.201 115.075,63.909 115.434,63.55 115.8,63.55 115.95,63.4 115.95,62.6 115.85,62.5 115.45,62.5 v1(115.4,62.45)
  Bottom Layer w0.12: J200.20@109.25,98.553 109.26,98.563 109.26,98.891 109.307,98.938 109.307,99.449 v1(109.308,99.45)